# Altium PCB TIVA_2.PcbDoc
Units mm, origin at the board's own origin, x right, y up, seen from the top; angles counter-clockwise.
Board outline 50.8 x 53.34 mm, 2 copper layers (Top Layer, Bottom Layer); 3 components, 14 nets, 62 pads, 4 vias.
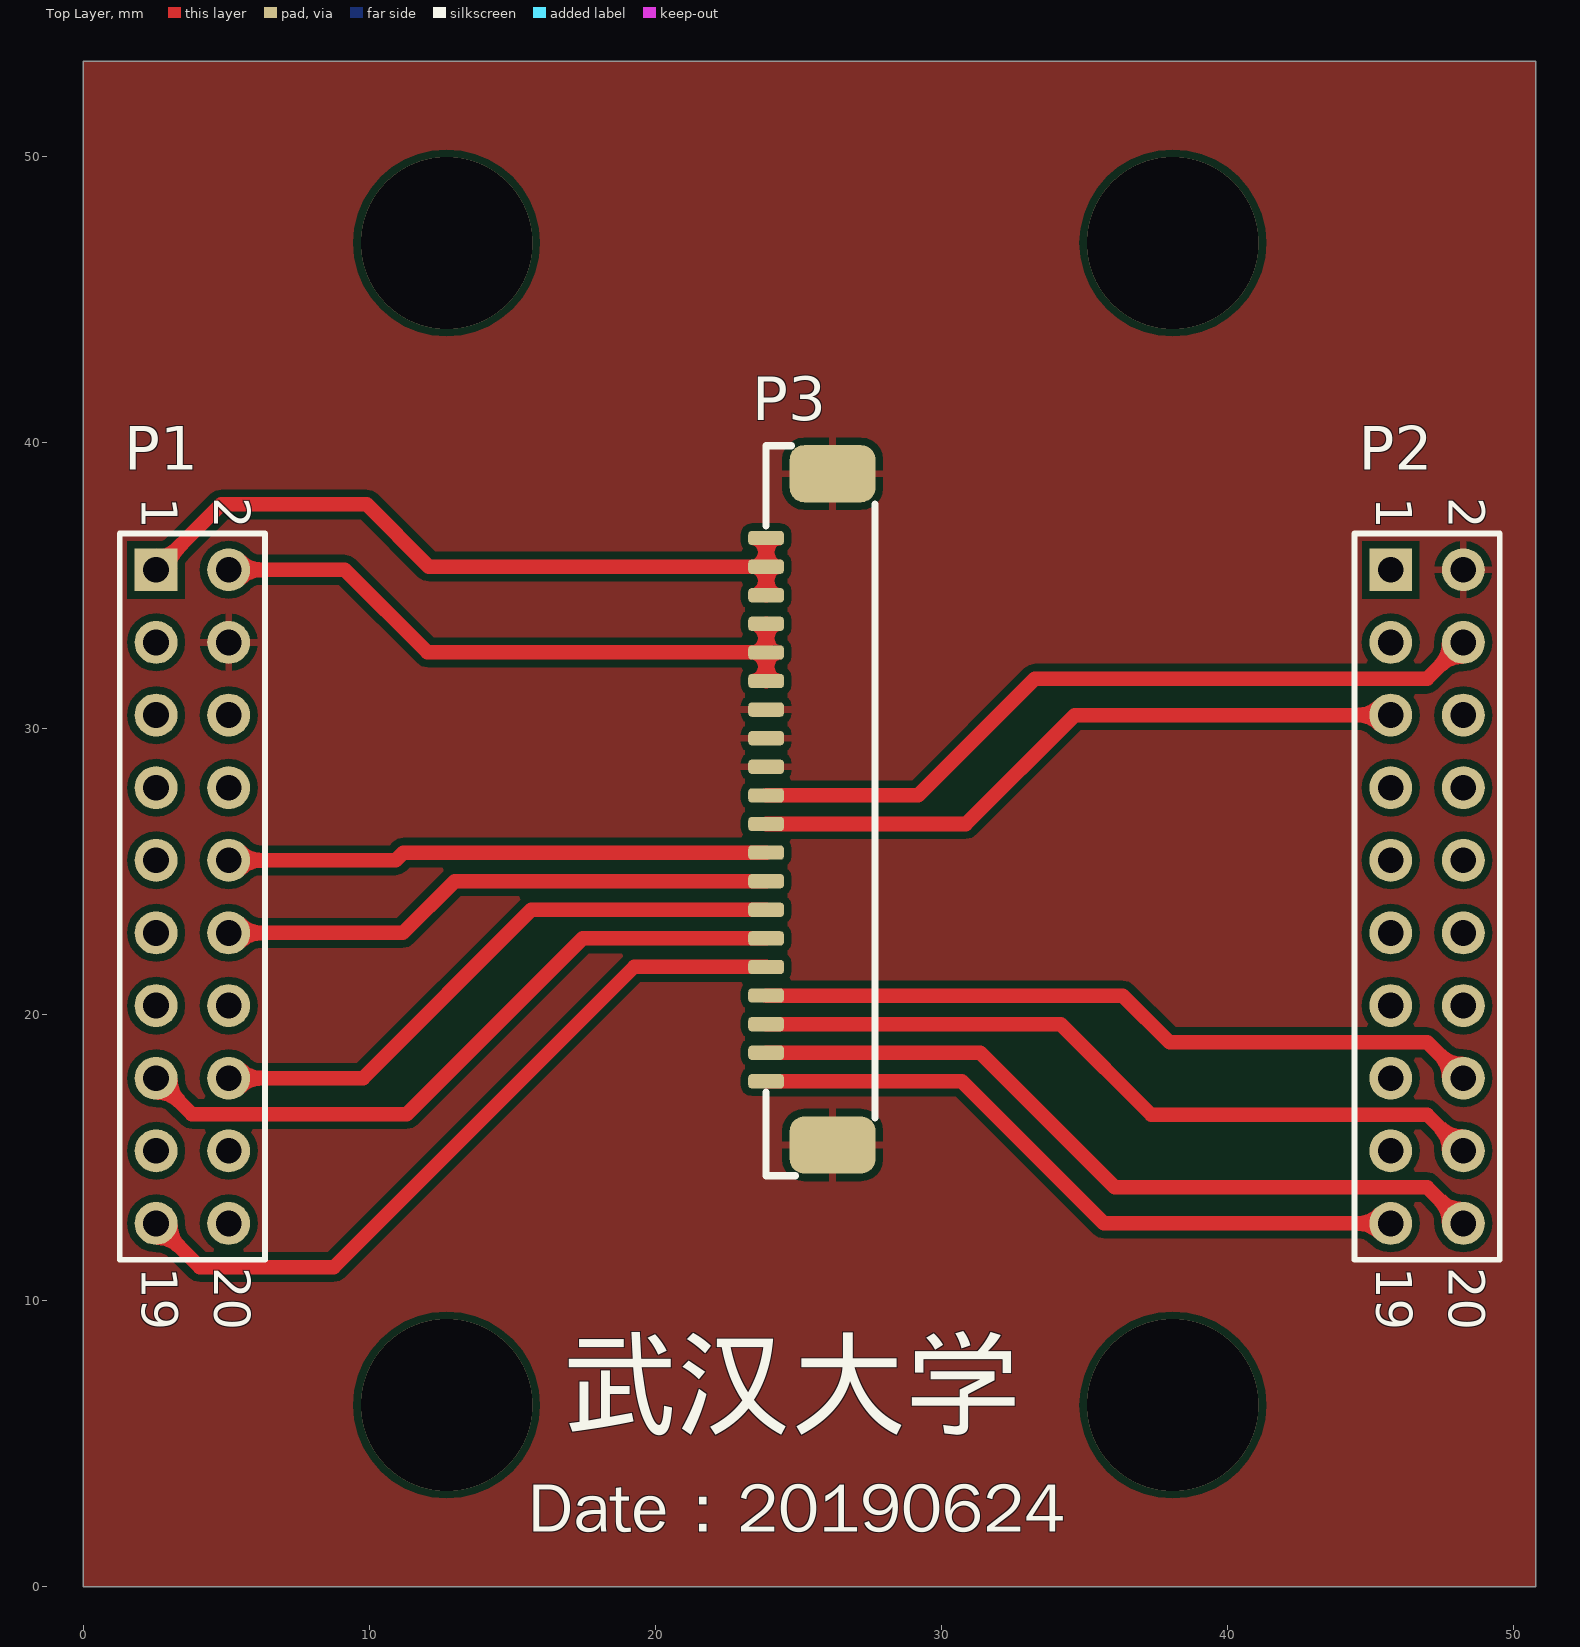
[diagram p0: Top Layer view]
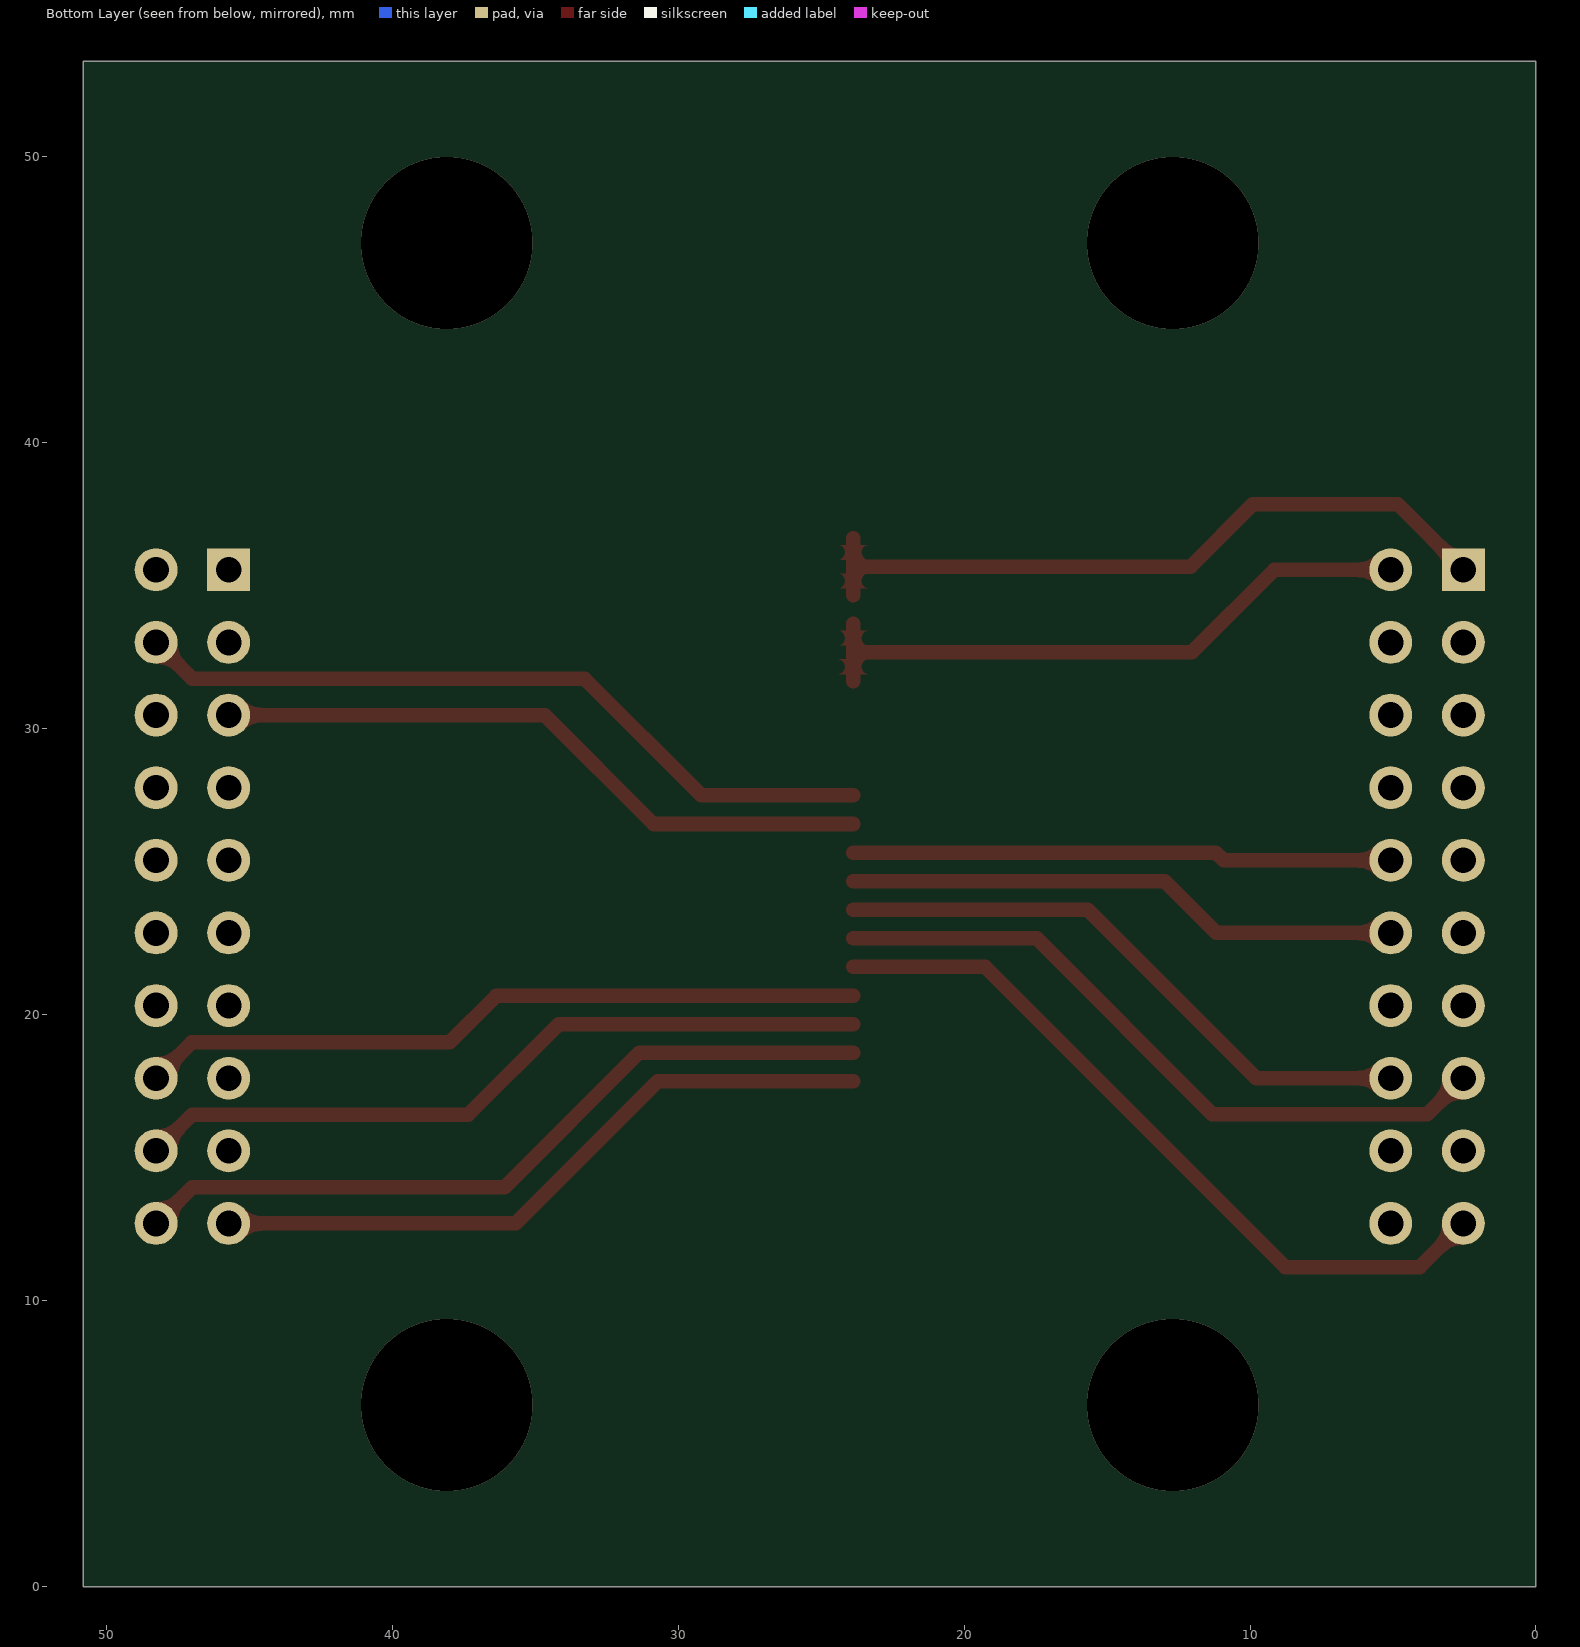
[diagram p1: Bottom Layer view, seen from below]

## Layer stack, top to bottom
Top Solder: solder mask 0.0102, Solder Resist, Dk 3.5
Top Layer: signal copper 0.0356
Dielectric 1: dielectric 0.32, FR-4, Dk 4.8
Bottom Layer: signal copper 0.0356
Bottom Solder: solder mask 0.0102, Solder Resist, Dk 3.5

## Board outline
0,0 50.8,0 50.8,53.34 0,53.34

## Design rules (kind name [scope] priority, off if disabled: settings)
Clearance [All] p1: gap=0.254 ignorepadtopadclearanceinfootprint=FALSE except(0: Arc-Hole Track-Hole SMDPad-Hole THPad-Hole Via-Hole Fill-Hole Poly-Hole Region-Hole Text-Hole)
PolygonConnect [All] p1: connectstyle=Relief reliefconductorwidth=0.254 reliefentries=4 polygonreliefangle="90 Angle" airgapwidth=0.254
RoutingVias [All] p1: holewidth=0.711 width=1.27 viastyle="Through Hole" minholewidth=0.711 minwidth=1.27 maxholewidth=0.711 maxwidth=1.27
SolderMaskExpansion [All] p1: expansion=0.102
Width [All] p1: maxlimit=0.762 minlimit=0.254 preferedwidth=0.254 minimp=50.000000 maximp=50.000000 favimp=50.000000
30 further rules are at their usual default settings.

## Components (designator, comment, footprint, x,y, rotation, side; value= is the part's Value field where it differs from the comment)
P1 "Header 10X2" HDR2X10 2.54,35.56 r270 top
P2 "Header 10X2" HDR2X10 45.72,35.56 r270 top
P3 "FPC_20P" FPC1.0_20P 23.876,17.67 r90 top

## Footprints (in the part's own frame and the unit in brackets; to place one, negate y for a bottom-side part, rotate by r counter-clockwise, add the part's x,y. Pads: shape width x height; smd on the part's side, far side on the other; paste and mask are expansions set on the pad)
FPC1.0_20P [mm]
  rrect50% 0.5x1.25 smd: 1(0,0) 2(1,0) 3(2,0) 4(3,0) 5(4,0) 6(5,0) 7(6,0) 8(7,0) 9(8,0) 10(9,0) 11(10,0) 12(11,0) 13(12,0) 14(13,0) 15(14,0) 16(15,0) 17(16,0) 18(17,0) 19(18,0) 20(19,0)
  rrect50% 2x3 smd: 21(-2.225,-2.325) 22(21.25,-2.325)
  silkscreen extent -3.3,-3.81 22.22,0
HDR2X10 [mm] "Connector; Header; 10x2 Position"
  rect 1.5x1.5 hole 0.9: 1(0,0)
  round 1.5 hole 0.9: 2(0,2.54) 3(2.54,0) 4(2.54,2.54) 5(5.08,0) 6(5.08,2.54) 7(7.62,0) 8(7.62,2.54) 9(10.16,0) 10(10.16,2.54) 11(12.7,0) 12(12.7,2.54) 13(15.24,0) 14(15.24,2.54) 15(17.78,0) 16(17.78,2.54) 17(20.32,0) 18(20.32,2.54) 19(22.86,0) 20(22.86,2.54)
  silkscreen extent -1.27,-1.27 24.13,3.81

## Part data
P1 P2: "Header, 10-Pin, Dual row", LatestRevisionDate=17-Jul-2002, LatestRevisionNote="Re-released for DXP Platform.", Publisher="Altium Limited"

## Via types
v1: diameter 6, hole 6, Top Layer to Bottom Layer, 4 vias

## Nets (pads, with @x,y where several pads share a name; then routed paths per layer and width w, separated by ;. In a path a pad name is that pad's centre, name@x,y a point inside that pad or via, vN(x,y) a via of type N, cw(c..) or ccw(c..) an arc to the next point about the centre after c; other vN are vias at no path point)
3.3V: P1.1 P3.18 P3.19 P3.20 | length 25.2
  Top Layer w0.508: P1.1 4.826,37.846 9.906,37.846 12.082,35.67 P3.19 ; P3.18 P3.19 ; P3.20 P3.19
GND: P1.4 P2.2 P3.12 P3.13 P3.14 P3.21 P3.22
PA2_SPI_SCK: P2.20 P3.2 | length 26.9
  Top Layer w0.508: P3.2 31.368,18.67 36.068,13.97 46.99,13.97 P2.20
PA3_SPI_CS_ICM: P2.18 P3.3 | length 26.2
  Top Layer w0.508: P3.3 34.178,19.67 37.338,16.51 46.99,16.51 P2.18
PA4_SPI_MISO: P2.16 P3.4 | length 25.6
  Top Layer w0.508: P3.4 36.353,20.67 37.985,19.038 47.002,19.038 P2.16
PA5_SPI_MOSI: P1.15 P3.6 | length 24.4
  Top Layer w0.508: P1.15 3.798,16.522 11.315,16.522 17.463,22.67 P3.6
PA7_PWM_Heat: P1.19 P3.5 | length 26.3
  Top Layer w0.508: P1.19 4.064,11.176 8.763,11.176 19.257,21.67 P3.5
PB2_MPU_INT: P2.4 P3.11 | length 26.6
  Top Layer w0.508: P3.11 29.194,27.67 33.274,31.75 46.99,31.75 P2.4
PB3_DRDY: P2.5 P3.10 | length 23.4
  Top Layer w0.508: P3.10 30.861,26.67 34.671,30.48 P2.5
PD2_SPI_CS_8975: P1.10 P3.9 | length 18.9
  Top Layer w0.508: P1.10 10.922,25.4 11.192,25.67 P3.9
PD3_SPI_CS_SPL: P1.12 P3.8 | length 19.5
  Top Layer w0.508: P1.12 11.176,22.86 12.986,24.67 P3.8
PE2_SPI_CS_Flash: P1.16 P3.7 | length 21.2
  Top Layer w0.508: P1.16 9.779,17.78 15.669,23.67 P3.7
PF4_LED_OB: P2.19 P3.1 | length 23.9
  Top Layer w0.508: P3.1 30.717,17.67 35.687,12.7 P2.19
VBUS: P1.2 P3.15 P3.16 P3.17 | length 22
  Top Layer w0.508: P1.2 9.144,35.56 12.034,32.67 P3.16 ; P3.15 P3.16 ; P3.17 P3.16
pads on no net: P1.3 P1.5 P1.6 P1.7 P1.8 P1.9 P1.11 P1.13 P1.14 P1.17 P1.18 P1.20 P2.1 P2.3 P2.6 P2.7 P2.8 P2.9 P2.10 P2.11 P2.12 P2.13 P2.14 P2.15 P2.17
copper on no net:
  other v1: 12.7,6.35 38.1,6.35 12.7,46.99 38.1,46.99

## Polygon pours and split planes (outlines as drawn)
GND on Top Layer "GND_L01_P000" (solid, remove dead copper, pour order 0): 0,0 50.8,0 50.8,53.34 0,53.34

## Silkscreen, mask and mechanical layers (free items; w line width, h text height)
Top Overlay:
  text "武汉大学" at 16.764,4.699 h5
  text "Date：20190624" at 15.543,1.341 h3
Bottom Solder:
  the board outline again, w0.254

## Text inside footprints (layer, text, board x,y; h text height)
P1: Top Overlay "2" at 4.572,38.1 h1.27 r270; Top Overlay "1" at 2.032,38.1 h1.27 r270; Top Overlay "19" at 2.032,11.176 h1.27 r270; Top Overlay "20" at 4.572,11.176 h1.27 r270
P2: Top Overlay "2" at 47.752,38.1 h1.27 r270; Top Overlay "1" at 45.212,38.1 h1.27 r270; Top Overlay "19" at 45.212,11.176 h1.27 r270; Top Overlay "20" at 47.752,11.176 h1.27 r270